# Altium PCB ESP8266-07.PcbDoc (part 1 of 2) (continued)
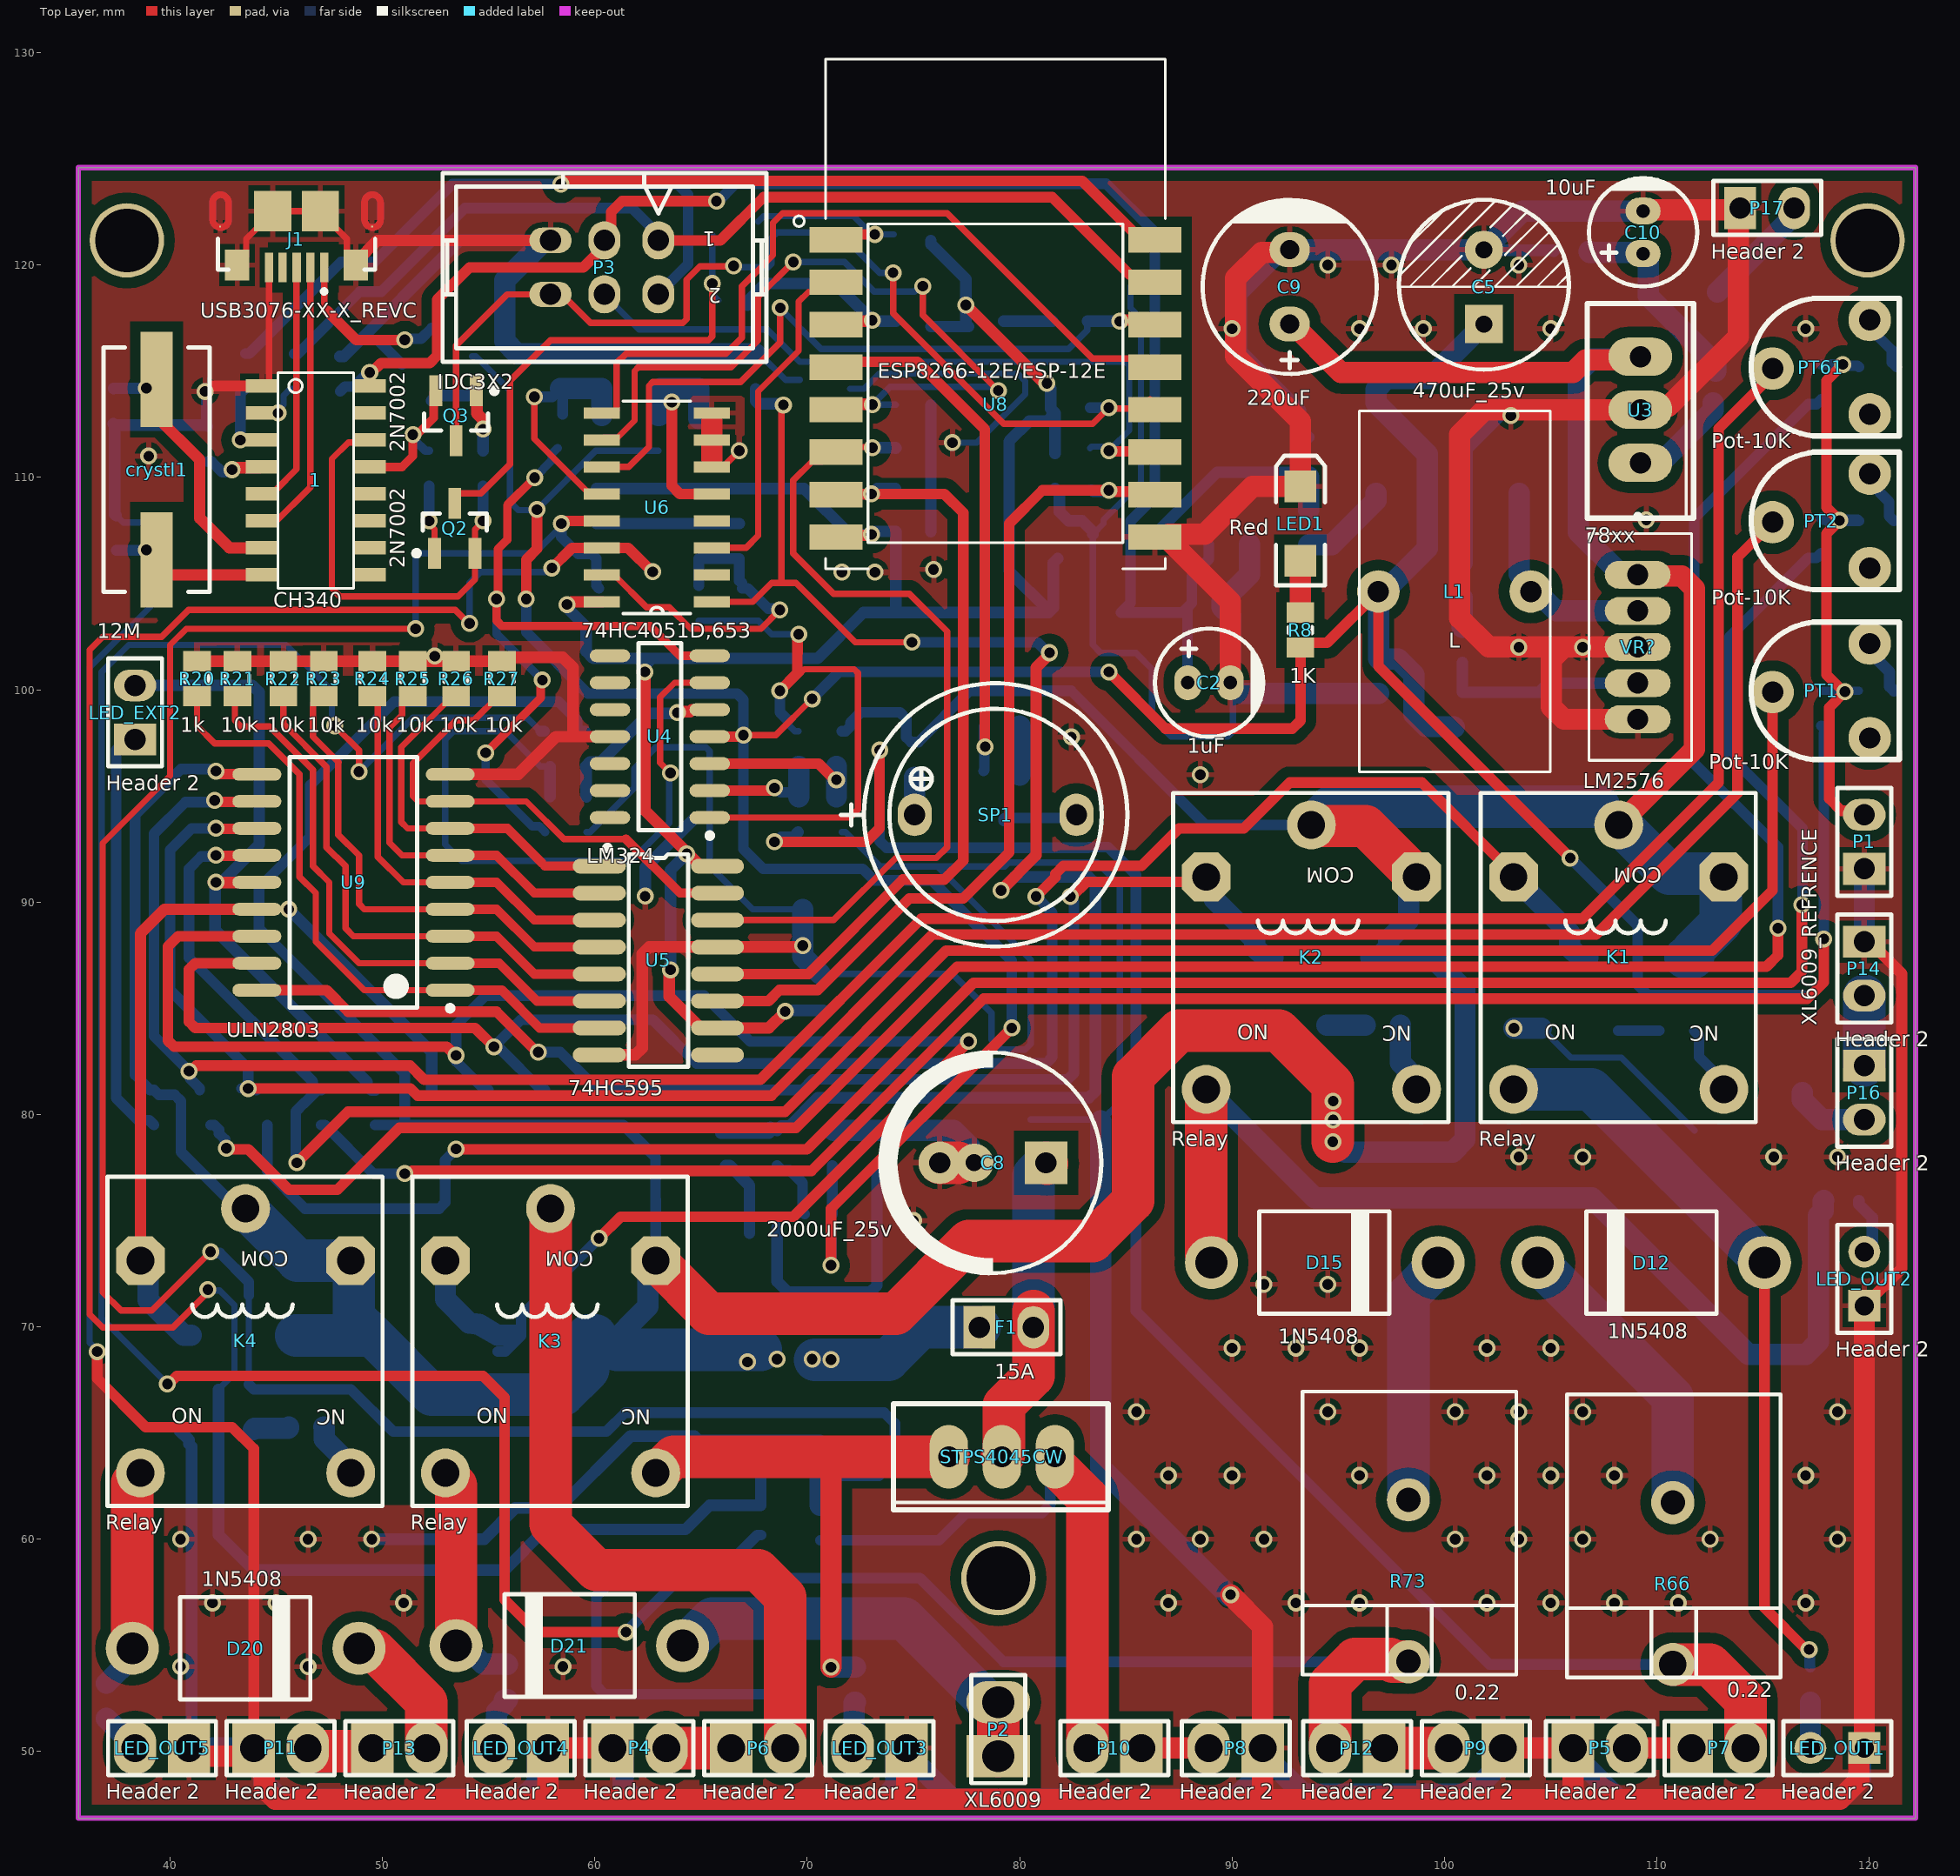
[diagram p0: Top Layer view]
## Components (designator, comment, footprint, x,y, rotation, side; value= is the part's Value field where it differs from the comment) (continued)
R85 "" "RES 0805 (2012X06L)" 119.507,75.946 r180 bottom value=1K
R86 "" "RES 0805 (2012X06L)" 72.263,52.325 r90 bottom value=1K
R87 "" "RES 0805 (2012X06L)" 55.88,52.452 r90 bottom value=1K
R88 "" "RES 0805 (2012X06L)" 36.83,51.562 r90 bottom value=1K
R89 "" "RES 0805 (2012X06L)" 110.11,83.947 r0 bottom value=1K
R90 "" "RES 0805 (2012X06L)" 96.267,84.201 r0 bottom value=1K
R91 "" "RES 0805 (2012X06L)" 45.593,65.278 r0 bottom value=1K
SP1 "" "BUZZER 7.62mm DC" 78.867,94.107 r0 top
STPS4045CW "" TO-220 79.136,63.881 r180 top
U1 "LM1117IMP-x.x" MP04A_N 88.9,109.749 r90 bottom
U3 "78xx" To-220 109.22,113.157 r270 top
U4 "LM324" SO-14 63.061,97.79 r180 top value="40 mA"
U5 "74HC595" SO16_N 62.992,87.249 r0 top value="max 6 V min 2 V ,8bit"
U6 "74HC4051D,653" SOIC127P600X175-16N 62.919,108.585 r180 top
U7 "ACS712" ACS712 69.23,71.476 r90 bottom
U8 "ESP8266-12E/ESP-12E" XCVR_ESP8266-12E/ESP-12E 78.86,114.189 r0 top
U9 "ULN2803" SOW-18 48.641,90.932 r180 top value=50v,500mA
VR? "LM2576" TO-220-5 109.093,102.01 r270 top value="output_7-60V Input_3A"

## Footprints (in the part's own frame and the unit in brackets; to place one, negate y for a bottom-side part, rotate by r counter-clockwise, add the part's x,y. Pads: shape width x height; smd on the part's side, far side on the other; paste and mask are expansions set on the pad)
ACS712 [mm]
  rect 2.5x0.7 smd: 1(-3.2,1.95) 2(-3.2,0.65) 3(-3.2,-0.65) 4(-3.2,-1.95) 5(3.2,-1.95) 6(3.2,-0.65) 7(3.2,0.65) 8(3.2,1.95)
  silkscreen extent -1.57,-2.4 1.53,2.43, body extent -3.07,-2.53 3.13,2.47, height 1.75
"BUZZER 7.62mm DC" [mm]
  oval 1.6x2 hole 1: 1(-3.81,0) 2(3.81,0)
  silkscreen extent -7.3,-6.2 6.2,6.2, body extent -6,-6 6,6, height 9.5
"cap 01" [mm]
  oval 1.27x1.651 hole 0.635: 1(1,0) 2(-1,0)
  silkscreen extent -2.55,-2.55 2.55,2.55, body extent -2.53,-2.53 2.53,2.53, height 12.54
"cap 03" [mil]
  oval 65x75 hole 35: 1(68.9,0) 2(-68.9,0)
  silkscreen extent -161,-161 161,161, body extent -159,-159 157,158, height 473
"Cap electrolitic radial 8x12-3.5" [mm]
  rect 1.8x1.8 hole 0.8: 1(-1.75,0)
  round 1.8 hole 0.8: 2(1.75,0)
  silkscreen extent -3.9,-4 4.1,4, body extent -4,-4 4,4, height 12.3
"Cap electrolitic radial 10x20-5" [mm]
  rect 2x2 hole 1: 1(-2.5,0)
  round 1.8 hole 0.8: 2(0.875,0)
  round 2 hole 1: 2(2.5,0)
  silkscreen extent -5.1,-5.2 5.3,5.2, body extent -5,-5 5,5, height 20
"Crystal SMD" [mm]
  rect 4.5x1.5 smd: 1(-4.25,0) 2(4.25,0)
  silkscreen extent -5.75,-2.5 5.75,2.5, body extent -6.21,-2.25 6.09,2.25, height 5.18
"Diode 1N4007 SMD" [mm]
  rect 2.7x2 smd: 1(-0.32,0) 2(4.28,0)
  silkscreen extent 1.27,-0.81 2.67,0.83, body extent -0.54,-1.36 4.46,1.34, height 2.16
"Diode 1N5819" [mm]
  round 2.5 hole 1.5: 1(-5.334,0) 2(5.334,0)
  silkscreen extent -3.08,-2.41 3.05,2.41, body extent -5.71,-2.38 5.71,2.37, height 5.38
FB1206 [mm]
  rect 1.5x1.7 smd: 1(-1.71,0) 2(1.7,0)
  silkscreen extent -2.64,-1.03 2.63,1.03, body extent -1.59,-0.8 1.61,0.8, height 1.1
GCT_USB3076-XX-X_REVC [mm]
  rect 0.4x1.4 smd: 1(-1.3,2.65) 2(-0.65,2.65) 3(0,2.65) 4(0.66,2.65) 5(1.3,2.65)
  rect 0.1x0.1 smd paste-1 mask+0: 6(-3.549,0.73) 7(3.601,0.73)
  rect 1.15x1.45 smd: 8(-2.794,2.54) 9(2.794,2.54)
  rect 1.75x1.9 smd: 10(-1.125,0) 11(1.125,0)
  Top Layer region: 4.1,-0.4 4.099,-0.427 4.097,-0.455 4.094,-0.482 4.089,-0.509 4.082,-0.536 4.074,-0.562 4.065,-0.588 4.055,-0.614 4.043,-0.638 4.03,-0.663 4.015,-0.686 4,-0.709 3.983,-0.73 3.965,-0.751 3.946,-0.771 3.926,-0.79 3.905,-0.808 3.884,-0.825 3.861,-0.84 3.838,-0.855 3.813,-0.868 3.789,-0.88 3.763,-0.89 3.737,-0.899 3.711,-0.907 3.684,-0.914 3.657,-0.919 3.63,-0.922 3.602,-0.924 3.575,-0.925 3.542,-0.923 3.514,-0.919 3.486,-0.914 3.458,-0.907 3.43,-0.899 3.403,-0.889 3.376,-0.878 3.35,-0.866 3.325,-0.852 3.3,-0.837 3.276,-0.82 3.254,-0.803 3.232,-0.784 3.211,-0.764 3.191,-0.743 3.172,-0.721 3.155,-0.699 3.138,-0.675 3.123,-0.65 3.109,-0.625 3.097,-0.599 3.086,-0.572 3.076,-0.545 3.068,-0.517 3.061,-0.489 3.056,-0.461 3.052,-0.433 3.05,-0.404 3.049,-0.375 3.05,-0.35 3.05,0 3.35,0 3.35,-0.4 3.35,-0.412 3.351,-0.424 3.353,-0.435 3.355,-0.447 3.358,-0.458 3.361,-0.47 3.365,-0.481 3.369,-0.492 3.375,-0.502 3.38,-0.513 3.386,-0.523 3.393,-0.532 3.4,-0.542 3.408,-0.551 3.416,-0.559 3.424,-0.567 3.433,-0.575 3.443,-0.582 3.452,-0.589 3.463,-0.595 3.473,-0.6 3.483,-0.606 3.494,-0.61 3.505,-0.614 3.517,-0.617 3.528,-0.62 3.54,-0.622 3.551,-0.624 3.563,-0.625 3.575,-0.625 3.587,-0.625 3.599,-0.624 3.61,-0.622 3.622,-0.62 3.633,-0.617 3.645,-0.614 3.656,-0.61 3.667,-0.606 3.677,-0.6 3.688,-0.595 3.698,-0.589 3.707,-0.582 3.717,-0.575 3.726,-0.567 3.734,-0.559 3.742,-0.551 3.75,-0.542 3.757,-0.532 3.764,-0.523 3.77,-0.513 3.775,-0.502 3.781,-0.492 3.785,-0.481 3.789,-0.47 3.792,-0.458 3.795,-0.447 3.797,-0.435 3.799,-0.424 3.8,-0.412 3.8,-0.4 3.8,0 4.1,0
  Top Layer region: 3.608,0.923 3.636,0.919 3.664,0.914 3.692,0.907 3.72,0.899 3.747,0.889 3.774,0.878 3.8,0.866 3.825,0.852 3.85,0.837 3.874,0.82 3.896,0.803 3.918,0.784 3.939,0.764 3.959,0.743 3.978,0.721 3.995,0.699 4.012,0.675 4.027,0.65 4.041,0.625 4.053,0.599 4.064,0.572 4.074,0.545 4.082,0.517 4.089,0.489 4.094,0.461 4.098,0.433 4.1,0.404 4.101,0.375 4.1,0.35 4.1,0 3.8,0 3.8,0.4 3.8,0.412 3.799,0.424 3.797,0.435 3.795,0.447 3.792,0.458 3.789,0.47 3.785,0.481 3.781,0.492 3.775,0.502 3.77,0.513 3.764,0.523 3.757,0.532 3.75,0.542 3.742,0.551 3.734,0.559 3.726,0.567 3.717,0.575 3.707,0.582 3.698,0.589 3.688,0.595 3.677,0.6 3.667,0.606 3.656,0.61 3.645,0.614 3.633,0.617 3.622,0.62 3.61,0.622 3.599,0.624 3.587,0.625 3.575,0.625 3.563,0.625 3.551,0.624 3.54,0.622 3.528,0.62 3.517,0.617 3.505,0.614 3.494,0.61 3.483,0.606 3.473,0.6 3.463,0.595 3.452,0.589 3.443,0.582 3.433,0.575 3.424,0.567 3.416,0.559 3.408,0.551 3.4,0.542 3.393,0.532 3.386,0.523 3.38,0.513 3.375,0.502 3.369,0.492 3.365,0.481 3.361,0.47 3.358,0.458 3.355,0.447 3.353,0.435 3.351,0.424 3.35,0.412 3.35,0.4 3.35,0 3.05,0 3.05,0.4 3.051,0.427 3.053,0.455 3.056,0.482 3.061,0.509 3.068,0.536 3.076,0.562 3.085,0.588 3.095,0.614 3.107,0.638 3.12,0.663 3.135,0.686 3.15,0.709 3.167,0.73 3.185,0.751 3.204,0.771 3.224,0.79 3.245,0.808 3.266,0.825 3.289,0.84 3.313,0.855 3.337,0.868 3.361,0.88 3.387,0.89 3.413,0.899 3.439,0.907 3.466,0.914 3.493,0.919 3.52,0.922 3.548,0.924 3.575,0.925
  Top Layer region: -3.05,-0.4 -3.051,-0.427 -3.053,-0.455 -3.056,-0.482 -3.061,-0.509 -3.068,-0.536 -3.076,-0.562 -3.085,-0.588 -3.095,-0.614 -3.107,-0.638 -3.12,-0.663 -3.135,-0.686 -3.15,-0.709 -3.167,-0.73 -3.185,-0.751 -3.204,-0.771 -3.224,-0.79 -3.245,-0.808 -3.266,-0.825 -3.289,-0.84 -3.312,-0.855 -3.337,-0.868 -3.361,-0.88 -3.387,-0.89 -3.413,-0.899 -3.439,-0.907 -3.466,-0.914 -3.493,-0.919 -3.52,-0.922 -3.548,-0.924 -3.575,-0.925 -3.608,-0.923 -3.636,-0.919 -3.664,-0.914 -3.692,-0.907 -3.72,-0.899 -3.747,-0.889 -3.774,-0.878 -3.8,-0.866 -3.825,-0.852 -3.85,-0.837 -3.874,-0.82 -3.896,-0.803 -3.918,-0.784 -3.939,-0.764 -3.959,-0.743 -3.978,-0.721 -3.995,-0.699 -4.012,-0.675 -4.027,-0.65 -4.041,-0.625 -4.053,-0.599 -4.064,-0.572 -4.074,-0.545 -4.082,-0.517 -4.089,-0.489 -4.094,-0.461 -4.098,-0.433 -4.1,-0.404 -4.101,-0.375 -4.1,-0.35 -4.1,0 -3.8,0 -3.8,-0.4 -3.8,-0.412 -3.799,-0.424 -3.797,-0.435 -3.795,-0.447 -3.792,-0.458 -3.789,-0.47 -3.785,-0.481 -3.781,-0.492 -3.775,-0.502 -3.77,-0.513 -3.764,-0.523 -3.757,-0.532 -3.75,-0.542 -3.742,-0.551 -3.734,-0.559 -3.726,-0.567 -3.717,-0.575 -3.707,-0.582 -3.698,-0.589 -3.688,-0.595 -3.677,-0.6 -3.667,-0.606 -3.656,-0.61 -3.645,-0.614 -3.633,-0.617 -3.622,-0.62 -3.61,-0.622 -3.599,-0.624 -3.587,-0.625 -3.575,-0.625 -3.563,-0.625 -3.551,-0.624 -3.54,-0.622 -3.528,-0.62 -3.517,-0.617 -3.505,-0.614 -3.494,-0.61 -3.483,-0.606 -3.473,-0.6 -3.462,-0.595 -3.452,-0.589 -3.443,-0.582 -3.433,-0.575 -3.424,-0.567 -3.416,-0.559 -3.408,-0.551 -3.4,-0.542 -3.393,-0.532 -3.386,-0.523 -3.38,-0.513 -3.375,-0.502 -3.369,-0.492 -3.365,-0.481 -3.361,-0.47 -3.358,-0.458 -3.355,-0.447 -3.353,-0.435 -3.351,-0.424 -3.35,-0.412 -3.35,-0.4 -3.35,0 -3.05,0
  Top Layer region: -3.542,0.923 -3.514,0.919 -3.486,0.914 -3.457,0.907 -3.43,0.899 -3.403,0.889 -3.376,0.878 -3.35,0.866 -3.325,0.852 -3.3,0.837 -3.276,0.82 -3.254,0.803 -3.232,0.784 -3.211,0.764 -3.191,0.743 -3.172,0.721 -3.155,0.699 -3.138,0.675 -3.123,0.65 -3.109,0.625 -3.097,0.599 -3.086,0.572 -3.076,0.545 -3.068,0.517 -3.061,0.489 -3.056,0.461 -3.052,0.433 -3.05,0.404 -3.049,0.375 -3.05,0.35 -3.05,0 -3.35,0 -3.35,0.4 -3.35,0.412 -3.351,0.424 -3.353,0.435 -3.355,0.447 -3.358,0.458 -3.361,0.47 -3.365,0.481 -3.369,0.492 -3.375,0.502 -3.38,0.513 -3.386,0.523 -3.393,0.532 -3.4,0.542 -3.408,0.551 -3.416,0.559 -3.424,0.567 -3.433,0.575 -3.443,0.582 -3.452,0.589 -3.462,0.595 -3.473,0.6 -3.483,0.606 -3.494,0.61 -3.505,0.614 -3.517,0.617 -3.528,0.62 -3.54,0.622 -3.551,0.624 -3.563,0.625 -3.575,0.625 -3.587,0.625 -3.599,0.624 -3.61,0.622 -3.622,0.62 -3.633,0.617 -3.645,0.614 -3.656,0.61 -3.667,0.606 -3.677,0.6 -3.688,0.595 -3.698,0.589 -3.707,0.582 -3.717,0.575 -3.726,0.567 -3.734,0.559 -3.742,0.551 -3.75,0.542 -3.757,0.532 -3.764,0.523 -3.77,0.513 -3.775,0.502 -3.781,0.492 -3.785,0.481 -3.789,0.47 -3.792,0.458 -3.795,0.447 -3.797,0.435 -3.799,0.424 -3.8,0.412 -3.8,0.4 -3.8,0 -4.1,0 -4.1,0.4 -4.099,0.427 -4.097,0.455 -4.094,0.482 -4.089,0.509 -4.082,0.536 -4.074,0.562 -4.065,0.588 -4.055,0.614 -4.043,0.638 -4.03,0.663 -4.015,0.686 -4,0.709 -3.983,0.73 -3.965,0.751 -3.946,0.771 -3.926,0.79 -3.905,0.808 -3.884,0.825 -3.861,0.84 -3.837,0.855 -3.813,0.868 -3.789,0.88 -3.763,0.89 -3.737,0.899 -3.711,0.907 -3.684,0.914 -3.657,0.919 -3.63,0.922 -3.602,0.924 -3.575,0.925
  Bottom Layer region: 4.1,-0.4 4.099,-0.427 4.097,-0.455 4.094,-0.482 4.089,-0.509 4.082,-0.536 4.074,-0.562 4.065,-0.588 4.055,-0.614 4.043,-0.638 4.03,-0.663 4.015,-0.686 4,-0.709 3.983,-0.73 3.965,-0.751 3.946,-0.771 3.926,-0.79 3.905,-0.808 3.884,-0.825 3.861,-0.84 3.838,-0.855 3.813,-0.868 3.789,-0.88 3.763,-0.89 3.737,-0.899 3.711,-0.907 3.684,-0.914 3.657,-0.919 3.63,-0.922 3.602,-0.924 3.575,-0.925 3.542,-0.923 3.514,-0.919 3.486,-0.914 3.458,-0.907 3.43,-0.899 3.403,-0.889 3.376,-0.878 3.35,-0.866 3.325,-0.852 3.3,-0.837 3.276,-0.82 3.254,-0.803 3.232,-0.784 3.211,-0.764 3.191,-0.743 3.172,-0.721 3.155,-0.699 3.138,-0.675 3.123,-0.65 3.109,-0.625 3.097,-0.599 3.086,-0.572 3.076,-0.545 3.068,-0.517 3.061,-0.489 3.056,-0.461 3.052,-0.433 3.05,-0.404 3.049,-0.375 3.05,-0.35 3.05,0 3.35,0 3.35,-0.4 3.35,-0.412 3.351,-0.424 3.353,-0.435 3.355,-0.447 3.358,-0.458 3.361,-0.47 3.365,-0.481 3.369,-0.492 3.375,-0.502 3.38,-0.513 3.386,-0.523 3.393,-0.532 3.4,-0.542 3.408,-0.551 3.416,-0.559 3.424,-0.567 3.433,-0.575 3.443,-0.582 3.452,-0.589 3.463,-0.595 3.473,-0.6 3.483,-0.606 3.494,-0.61 3.505,-0.614 3.517,-0.617 3.528,-0.62 3.54,-0.622 3.551,-0.624 3.563,-0.625 3.575,-0.625 3.587,-0.625 3.599,-0.624 3.61,-0.622 3.622,-0.62 3.633,-0.617 3.645,-0.614 3.656,-0.61 3.667,-0.606 3.677,-0.6 3.688,-0.595 3.698,-0.589 3.707,-0.582 3.717,-0.575 3.726,-0.567 3.734,-0.559 3.742,-0.551 3.75,-0.542 3.757,-0.532 3.764,-0.523 3.77,-0.513 3.775,-0.502 3.781,-0.492 3.785,-0.481 3.789,-0.47 3.792,-0.458 3.795,-0.447 3.797,-0.435 3.799,-0.424 3.8,-0.412 3.8,-0.4 3.8,0 4.1,0
  Bottom Layer region: 3.608,0.923 3.636,0.919 3.664,0.914 3.692,0.907 3.72,0.899 3.747,0.889 3.774,0.878 3.8,0.866 3.825,0.852 3.85,0.837 3.874,0.82 3.896,0.803 3.918,0.784 3.939,0.764 3.959,0.743 3.978,0.721 3.995,0.699 4.012,0.675 4.027,0.65 4.041,0.625 4.053,0.599 4.064,0.572 4.074,0.545 4.082,0.517 4.089,0.489 4.094,0.461 4.098,0.433 4.1,0.404 4.101,0.375 4.1,0.35 4.1,0 3.8,0 3.8,0.4 3.8,0.412 3.799,0.424 3.797,0.435 3.795,0.447 3.792,0.458 3.789,0.47 3.785,0.481 3.781,0.492 3.775,0.502 3.77,0.513 3.764,0.523 3.757,0.532 3.75,0.542 3.742,0.551 3.734,0.559 3.726,0.567 3.717,0.575 3.707,0.582 3.698,0.589 3.688,0.595 3.677,0.6 3.667,0.606 3.656,0.61 3.645,0.614 3.633,0.617 3.622,0.62 3.61,0.622 3.599,0.624 3.587,0.625 3.575,0.625 3.563,0.625 3.551,0.624 3.54,0.622 3.528,0.62 3.517,0.617 3.505,0.614 3.494,0.61 3.483,0.606 3.473,0.6 3.463,0.595 3.452,0.589 3.443,0.582 3.433,0.575 3.424,0.567 3.416,0.559 3.408,0.551 3.4,0.542 3.393,0.532 3.386,0.523 3.38,0.513 3.375,0.502 3.369,0.492 3.365,0.481 3.361,0.47 3.358,0.458 3.355,0.447 3.353,0.435 3.351,0.424 3.35,0.412 3.35,0.4 3.35,0 3.05,0 3.05,0.4 3.051,0.427 3.053,0.455 3.056,0.482 3.061,0.509 3.068,0.536 3.076,0.562 3.085,0.588 3.095,0.614 3.107,0.638 3.12,0.663 3.135,0.686 3.15,0.709 3.167,0.73 3.185,0.751 3.204,0.771 3.224,0.79 3.245,0.808 3.266,0.825 3.289,0.84 3.313,0.855 3.337,0.868 3.361,0.88 3.387,0.89 3.413,0.899 3.439,0.907 3.466,0.914 3.493,0.919 3.52,0.922 3.548,0.924 3.575,0.925
  Bottom Layer region: -3.05,-0.4 -3.051,-0.427 -3.053,-0.455 -3.056,-0.482 -3.061,-0.509 -3.068,-0.536 -3.076,-0.562 -3.085,-0.588 -3.095,-0.614 -3.107,-0.638 -3.12,-0.663 -3.135,-0.686 -3.15,-0.709 -3.167,-0.73 -3.185,-0.751 -3.204,-0.771 -3.224,-0.79 -3.245,-0.808 -3.266,-0.825 -3.289,-0.84 -3.312,-0.855 -3.337,-0.868 -3.361,-0.88 -3.387,-0.89 -3.413,-0.899 -3.439,-0.907 -3.466,-0.914 -3.493,-0.919 -3.52,-0.922 -3.548,-0.924 -3.575,-0.925 -3.608,-0.923 -3.636,-0.919 -3.664,-0.914 -3.692,-0.907 -3.72,-0.899 -3.747,-0.889 -3.774,-0.878 -3.8,-0.866 -3.825,-0.852 -3.85,-0.837 -3.874,-0.82 -3.896,-0.803 -3.918,-0.784 -3.939,-0.764 -3.959,-0.743 -3.978,-0.721 -3.995,-0.699 -4.012,-0.675 -4.027,-0.65 -4.041,-0.625 -4.053,-0.599 -4.064,-0.572 -4.074,-0.545 -4.082,-0.517 -4.089,-0.489 -4.094,-0.461 -4.098,-0.433 -4.1,-0.404 -4.101,-0.375 -4.1,-0.35 -4.1,0 -3.8,0 -3.8,-0.4 -3.8,-0.412 -3.799,-0.424 -3.797,-0.435 -3.795,-0.447 -3.792,-0.458 -3.789,-0.47 -3.785,-0.481 -3.781,-0.492 -3.775,-0.502 -3.77,-0.513 -3.764,-0.523 -3.757,-0.532 -3.75,-0.542 -3.742,-0.551 -3.734,-0.559 -3.726,-0.567 -3.717,-0.575 -3.707,-0.582 -3.698,-0.589 -3.688,-0.595 -3.677,-0.6 -3.667,-0.606 -3.656,-0.61 -3.645,-0.614 -3.633,-0.617 -3.622,-0.62 -3.61,-0.622 -3.599,-0.624 -3.587,-0.625 -3.575,-0.625 -3.563,-0.625 -3.551,-0.624 -3.54,-0.622 -3.528,-0.62 -3.517,-0.617 -3.505,-0.614 -3.494,-0.61 -3.483,-0.606 -3.473,-0.6 -3.462,-0.595 -3.452,-0.589 -3.443,-0.582 -3.433,-0.575 -3.424,-0.567 -3.416,-0.559 -3.408,-0.551 -3.4,-0.542 -3.393,-0.532 -3.386,-0.523 -3.38,-0.513 -3.375,-0.502 -3.369,-0.492 -3.365,-0.481 -3.361,-0.47 -3.358,-0.458 -3.355,-0.447 -3.353,-0.435 -3.351,-0.424 -3.35,-0.412 -3.35,-0.4 -3.35,0 -3.05,0
  Bottom Layer region: -3.542,0.923 -3.514,0.919 -3.486,0.914 -3.457,0.907 -3.43,0.899 -3.403,0.889 -3.376,0.878 -3.35,0.866 -3.325,0.852 -3.3,0.837 -3.276,0.82 -3.254,0.803 -3.232,0.784 -3.211,0.764 -3.191,0.743 -3.172,0.721 -3.155,0.699 -3.138,0.675 -3.123,0.65 -3.109,0.625 -3.097,0.599 -3.086,0.572 -3.076,0.545 -3.068,0.517 -3.061,0.489 -3.056,0.461 -3.052,0.433 -3.05,0.404 -3.049,0.375 -3.05,0.35 -3.05,0 -3.35,0 -3.35,0.4 -3.35,0.412 -3.351,0.424 -3.353,0.435 -3.355,0.447 -3.358,0.458 -3.361,0.47 -3.365,0.481 -3.369,0.492 -3.375,0.502 -3.38,0.513 -3.386,0.523 -3.393,0.532 -3.4,0.542 -3.408,0.551 -3.416,0.559 -3.424,0.567 -3.433,0.575 -3.443,0.582 -3.452,0.589 -3.462,0.595 -3.473,0.6 -3.483,0.606 -3.494,0.61 -3.505,0.614 -3.517,0.617 -3.528,0.62 -3.54,0.622 -3.551,0.624 -3.563,0.625 -3.575,0.625 -3.587,0.625 -3.599,0.624 -3.61,0.622 -3.622,0.62 -3.633,0.617 -3.645,0.614 -3.656,0.61 -3.667,0.606 -3.677,0.6 -3.688,0.595 -3.698,0.589 -3.707,0.582 -3.717,0.575 -3.726,0.567 -3.734,0.559 -3.742,0.551 -3.75,0.542 -3.757,0.532 -3.764,0.523 -3.77,0.513 -3.775,0.502 -3.781,0.492 -3.785,0.481 -3.789,0.47 -3.792,0.458 -3.795,0.447 -3.797,0.435 -3.799,0.424 -3.8,0.412 -3.8,0.4 -3.8,0 -4.1,0 -4.1,0.4 -4.099,0.427 -4.097,0.455 -4.094,0.482 -4.089,0.509 -4.082,0.536 -4.074,0.562 -4.065,0.588 -4.055,0.614 -4.043,0.638 -4.03,0.663 -4.015,0.686 -4,0.709 -3.983,0.73 -3.965,0.751 -3.946,0.771 -3.926,0.79 -3.905,0.808 -3.884,0.825 -3.861,0.84 -3.837,0.855 -3.813,0.868 -3.789,0.88 -3.763,0.89 -3.737,0.899 -3.711,0.907 -3.684,0.914 -3.657,0.919 -3.63,0.922 -3.602,0.924 -3.575,0.925
  silkscreen extent -3.7,1.29 3.7,3.89, body extent -3.7,-2.63 3.7,2.92, height 2.66
HDR1X2#1 [mm] "Connector; Header; 2 Position"
  rect 1.5x2 hole 1: 1(0,0)
  oval 1.5x2 hole 1: 2(2.54,0)
  silkscreen extent -1.27,-1.27 3.81,1.27
HDR1X2#2 [mm] "Connector; Header; 2 Position"
  rect 1.5x1.5 hole 0.9: 1(0,0)
  round 1.5 hole 0.9: 2(2.54,0)
  silkscreen extent -1.27,-1.27 3.81,1.27
HDR1X2#3 [mm] "Connector; Header; 2 Position"
  rect 2x2.5 hole 1.3: 1(0,0)
  oval 2x2.5 hole 1.3: 2(2.54,0)
  silkscreen extent -1.27,-1.27 3.81,1.27
HDR1X2#4 [mm] "Connector; Header; 2 Position"
  rect 2x3 hole 1.5: 1(0,0)
  oval 2x3 hole 1.5: 2(2.54,0)
  silkscreen extent -1.27,-1.27 3.81,1.27
IDC_2X3 [mm]
  oval 1.5x1.8 hole 1 mask+0.1: 1(-2.54,-1.27) 2(-2.54,1.27) 3(0,-1.27) 4(0,1.27)
  oval 2x1.2 hole 1 mask+0.1: 5(2.54,-1.27) 6(2.54,1.27)
  silkscreen extent -7.62,-4.45 7.62,4.44, body extent -7.61,-4.25 7.61,4.6, height 9.17
"LED SMD 1206" [mm]
  rect 1.5x1.5 smd: 1(-1.75,0) 2(1.75,0)
  silkscreen extent -2.9,-1.15 3.2,1.15, body extent -1.65,-0.76 1.65,0.69, height 1.36
LL4148 [mm] "MELF Diode, 2-Leads, Body 3.5x1.4mm, IPC Medium Density"
  rect 1.2x1.75 smd: 1(-1.65,0) 2(1.65,0)
  silkscreen extent -0.61,-0.87 0.57,0.88, body extent -1.78,-0.75 1.72,0.75, height 1.55
MP04A_N [mm] "SOT223, 4-Leads, Body 6.5x3.5mm, Pitch 2.3mm, Lead Span 7mm, IPC Medium Density"
  rect 2.4x1 smd: 1(-2.9,2.3) 2(-2.9,0) 3(-2.9,-2.3)
  rect 2.4x3.3 smd: 4(2.9,0)
  silkscreen extent -3.02,-3.35 1.4,3.47, body extent -3.49,-3.24 3.49,3.24, height 1.64
"Relay 15.40x12.10x13.10" [mm]
  round 2.3 hole 1.3: 1(0,0) 2(-4.95,12.45) 3(4.95,12.45)
  oct 2.3x2.3 hole 1.3: 4(-4.95,2.45) 5(4.95,2.45)
  silkscreen extent -6.45,-1.5 6.5,14, body extent -6.05,-1.3 6.05,14, height 16.1
"RES 0805 (2012X06L)" [mm] "Chip Resistor, 2-Leads, Body 2.0x1.3mm, IPC High Density _ (0.100 W)"
  rect 0.95x1.3 smd: 1(0,0) 2(1.65,0)
  silkscreen extent 0.67,-0.55 0.98,0.55, body extent -0.19,-0.63 1.84,0.64, height 0.6
Res-(5/1)-Stand#1 [mil]
  round 80 hole 45: 1(0,0)
  round 80 hole 51.18: 2(300,0)
  silkscreen extent -201,-196 324,200, body extent -195,-194 319,200, height 907
Res-(5/1)-Stand#2 [mil]
  round 80 hole 45: 1(0,0) 2(300,0)
  silkscreen extent -201,-196 324,200, body extent -195,-194 319,200, height 907
SMD_CAP_0805 [mm]
  rect 0.95x1.3 smd: 1(0,0) 2(1.65,0)
  silkscreen extent 0.67,-0.55 0.98,0.55, body extent -0.19,-0.64 1.84,0.64, height 0.65
SO16_N [mm] "16-Pin Small Outline Integrated Circuit 1.27 mm Pitch, IPC Medium Density - DESIGNER ABBAS BASEREH"
  oval 2.5x0.7 smd: 1(-2.781,4.445) 2(-2.781,3.175) 3(-2.781,1.905) 4(-2.781,0.635) 5(-2.781,-0.635) 6(-2.781,-1.905) 7(-2.781,-3.175) 8(-2.781,-4.445) 9(2.781,-4.445) 10(2.781,-3.175) 11(2.781,-1.905) 12(2.781,-0.635) 13(2.781,0.635) 14(2.781,1.905) 15(2.781,3.175) 16(2.781,4.445)
  silkscreen extent -2.52,-5 1.4,5.42, body extent -3,-4.97 3,4.96, height 1.62
SO-14 [mm] "SOIC, 14-Leads, Body 8.6x3.9mm, Pitch 1.27mm, IPC High Density"
  oval 1.9x0.6 smd: 1(-2.35,3.81) 2(-2.35,2.54) 3(-2.35,1.27) 4(-2.35,0) 5(-2.35,-1.27) 6(-2.35,-2.54) 7(-2.35,-3.81) 8(2.35,-3.81) 9(2.35,-2.54) 10(2.35,-1.27) 11(2.35,0) 12(2.35,1.27) 13(2.35,2.54) 14(2.35,3.81)
  silkscreen extent -2.48,-4.4 1,4.78, body extent -3.02,-4.32 3.02,4.32, height 1.62
SOIC16 [mil]
  rect 60x25 smd: 1(-100,150) 2(-100,100) 3(-100,50) 4(-100,0) 5(-100,-50) 6(-100,-100) 7(-100,-150) 8(-100,-200) 9(100,-200) 10(100,-150) 11(100,-100) 12(100,-50) 13(100,0) 14(100,50) 15(100,100) 16(100,150)
  silkscreen extent -70,-225 70,175, body extent -123,-221 123,171, height 62
SOIC127P600X175-16N [mil]
  rect 67x21 smd: 1(-102,175) 2(-102,125) 3(-102,75) 4(-102,25) 5(-102,-25) 6(-102,-75) 7(-102,-125) 8(-102,-175) 9(102,-175) 10(102,-125) 11(102,-75) 12(102,-25) 13(102,25) 14(102,75) 15(102,125) 16(102,175)
  silkscreen extent -62,-197 62,197, body extent -118,-195 118,195, height 69
SOT23_BEC_M [mm] "SOT23, 3-Leads, Body 2.9x1.3mm, Pitch 0.95mm, Lead Span 2.4mm, IPC Low Density"
  rect 1.45x0.6 smd: 1(-1.175,0.95) 2(-1.175,-0.95) 3(1.175,0)
  silkscreen extent -1.3,-1.5 0.7,1.92, body extent -1.23,-1.45 1.07,1.45, height 1
SOW-18 [mm]
  oval 2.3x0.6 smd: 1(-4.55,5.08) 2(-4.55,3.81) 3(-4.55,2.54) 4(-4.55,1.27) 5(-4.55,0) 6(-4.55,-1.27) 7(-4.55,-2.54) 8(-4.55,-3.81) 9(-4.55,-5.08) 10(4.55,-5.08) 11(4.55,-3.81) 12(4.55,-2.54) 13(4.55,-1.27) 14(4.55,0) 15(4.55,1.27) 16(4.55,2.54) 17(4.55,3.81) 18(4.55,5.08)
  silkscreen extent -4.67,-5.9 3,6.05, body extent -5.15,-5.79 5.15,5.78, height 2.65
Square [mm]
  round 2 hole 1 mask+0.102: 1(2.223,2.286) 2(0.064,-2.286) 3(-2.222,2.286)
  silkscreen extent -3.24,-3.29 3.24,3.68, body extent -3.16,-3.34 3.34,3.71, height 2.9
TO-220 [mm]
  oval 1.8x3 hole 1: 1(-2.525,0) 2(-0.025,0) 3(2.475,0)
  silkscreen extent -5.03,-2.5 5.07,2.5, body extent -5.06,-1.47 5.1,3.1, height 19.54
To-220 [mm]
  oval 1.8x3 hole 1: 1(-2.525,0) 2(-0.025,0) 3(2.475,0)
  silkscreen extent -5.03,-2.5 5.07,2.5, body extent -5.06,-1.47 5.1,3.1, height 19.54
TO-220-5 [mm]
  oval 1.3x3.1 hole 1: 1(-3.4,0) 2(-1.7,0) 3(0,0) 4(1.7,0) 5(3.4,0)
  silkscreen extent -6.27,-2.29 5.34,2.54, body extent -4.95,-1.27 5.21,3.17, height 22.29
"Toroidal Inductor Coil" [mm]
  round 2 hole 1: 1(0.025,3.475) 2(0.025,-3.7)
  silkscreen extent -8.47,-4.6 8.52,4.4, body extent -8.64,-4.47 8.74,4.07, height 23.82
XCVR_ESP8266-12E/ESP-12E [mm]
  rect 2.5x1.2 smd: 1(-7.5,7) 2(-7.5,5) 3(-7.5,3) 4(-7.5,1) 5(-7.5,-1) 6(-7.5,-3) 7(-7.5,-5) 8(-7.5,-7) 15(7.5,-7) 16(7.5,-5) 17(7.5,-3) 18(7.5,-1) 19(7.5,1) 20(7.5,3) 21(7.5,5) 22(7.5,7)
  rect 1.1x2 on Top Overlay: 9(-5,-8.5) 10(-3,-8.5) 11(-1,-8.5) 12(1,-8.5) 13(3,-8.5) 14(5,-8.5)
  silkscreen extent -9.5,-8.5 8,15.5, body extent -8.13,-8.57 7.87,15.43, height 3.17

## Part data
1: "Circuit Breaker Magnetic 3Pole 40A 240VAC", Package=None, Availability=Unavailable, MF=Eaton, MP=CH340, Price=None, SnapEDA_Link=https://www.snapeda.com/parts/CH340/Eaton/view-part/4701946/?ref=snap
C2 C9 C10: library part Cap-Polar, "Polar Capacitor", Voltage=16V, Adding Date=1387/12/20, Designer="Saeid Jorablo", Organazation=ControTec
C3 C4 C6 C11 C12 C13 C14 C15 C16 C17 C18 C19 C20 C21 C22 C24 C25 C26 C27 C28 C29: library part Cap-Bipolar, "Bipolar Capacitor", Voltage=100V, Adding Date=1387/12/20, Designer="Saeid Jorablo", Organazation=ControTec
C5 C8: library part "Cap electrolitic radial 10x21", "Cap electrolitic radial", Data=16-12-2016, Designer="Abbas Basereh", Part. No=100U/50V
crystl1: library part CRYSTAL, "Crystal"
D1 D4 D13 D14 D16 D17 D18 D19: library part "Diode 1N", "High Conductance Fast Diode", Code_JEDEC=DO-204-AH, ComponentLink1Description="Manufacturer Link", ComponentLink1URL=http://www.fairchildsemi.com/, ComponentLink2Description=Datasheet, ComponentLink2URL=http://www.fairchildsemi.com/ds/1N%2F1N4148.pdf, DatasheetDocument=1997, LatestRevisionDate=17-Jul-2002, LatestRevisionNote="Re-released for DXP Platform.", PackageReference=DO-35, Published=8-Jun-2000, Publisher="Altium Limited"
D5 D6 D7 D8 D9 D10: library part "Diode 1N4148", "High Conductance Fast Diode", Code_JEDEC=DO-204-AH, ComponentLink1Description="Manufacturer Link", ComponentLink1URL=http://www.fairchildsemi.com/, ComponentLink2Description=Datasheet, ComponentLink2URL=http://www.fairchildsemi.com/ds/1N%2F1N4148.pdf, DatasheetVersion=1997, LatestRevisionDate=17-Jul-2002, LatestRevisionNote="Re-released for DXP Platform.", PackageDescription="Diode, Axial; Body 3.8 x 1.9 mm (LxDia. max), Lead Dia. 0.53 mm (max)", PackageReference=DO-35, Published=8-Jun-2000, Publisher="Altium Limited"
D12 D15 D20 D21: library part "Diode 1N5408", "3 Amp Medium Power Silicon Rectifier Diode", ComponentLink1Description="Manufacturer Link", ComponentLink1URL=http://www.irf.com/, DatasheetVersion=Aug-1984, LatestRevisionDate=17-Jul-2002, LatestRevisionNote="Re-released for DXP Platform.", PackageDescription="Diode, Axial; Body 9.5 x 5.3 mm (LxDia. max), Lead Dia. 1.32 mm (max)", PackageReference=DO-201AD, Published=8-Jun-2000, Publisher="Altium Limited"
F1 P1 P2: library part "Header 2", "Header, 2-Pin", LatestRevisionDate=17-Jul-2002, LatestRevisionNote="Re-released for DXP Platform.", Publisher="Altium Limited"
F2 F3: library part Inductor, "Inductor", Code_IEC=1005, Code_JEITA=0402, LatestRevisionDate=29-May-2009, LatestRevisionNote="IPC-7351 Footprint Added.", PackageDescription="Chip Inductor", PackageReference=0402-A, Published=8-Jun-2000, Publisher="Altium Limited"
J1: "USB - micro B USB 2.0 Receptacle Connector 5 Position Surface Mount, Right Angle; Through Hole", Package=None, Availability=Unavailable, MF="Global Connector Technology", MP=USB3076-30-A, Price=None, SnapEDA_Link=https://www.snapeda.com/parts/USB3076-30-A/Global%20Connector%20Technology/view-part/276912/?ref=snap
K1 K2 K3 K4: library part "RELAY General", "Relay_SPDT POWER NEEDLE", Company=E.P.I.L, Design_Date=2011/10/31, Designer="Ali Hafizi"
L1: library part "Inductor-100uH-3A-Toroidal  Coil", manufacture=CHINA, manufacture p-n=5026-100UH-3A-0.6MM, Footprint Patch=R_C_D_T.PcbLib, LIBRARY PATCH=R_C_D_T.SchLib, part="Inductor-100uH-3A-Toroidal  Coil", Rahkaran=1010900947, supplier1=javan, supplier1 p-n=TOROID-100UH-3A
LED1: library part LED, "LED", Adding Date=1387/12/22, Color=Red, Designer="Saeid Jorablo", Organazation=ControTec, Size="SMD 1206"
LED4 LED5 LED6: library part LED, "LED", Color=Red, Adding Date=1387/12/22, Designer="Saeid Jorablo", Organazation=ControTec, Size="SMD 1206"
LED_EXT2 LED_OUT1 LED_OUT2 LED_OUT3 LED_OUT4 LED_OUT5 P4 P5 P6 P7 P8 P9 P10 P11 P12 P13 P14 P16 P17: "Header, 2-Pin", LatestRevisionDate=17-Jul-2002, LatestRevisionNote="Re-released for DXP Platform.", Publisher="Altium Limited"
P3: library part "IDC 3X2", "IDC, 6-Pin, Dual row", LatestRevisionDate=17-Jul-2002, LatestRevisionNote="Re-released for DXP Platform.", Publisher="Altium Limited"
PT1 PT2 PT61: library part resistor-Pot-10K, manufacture="Changzhou Kennon ELectronics", manufacture p-n=WH06-2C-10K, Footprint Patch=R_C_D_T.PcbLib, LIBRARY PATCH=R_C_D_T.SchLib, part=resistor-Pot-10K, Rahkaran=‎1012000156, supplier1=javan, supplier1 p-n="POT 10K"
Q4: library part 2N7002
R2 R4 R5 R7 R8 R9 R10 R11 R12 R13 R14 R15 R16 R17 R18 R19 R20 R21 R22 R23 R24 R25 R26 R27 R28 R29 R30 R31 R32 R33 R34 R35 R36 R37 R38 R39 R40 R41 R42 R43 R44 R46 R47 R48 R49 R50 R54 R55 R57 R58 R60 R61 R64 R65 R66 R67 R68 R69 R73 R74 R75 R77 R78 R79 R80 R81 R82 R83 R84 R85 R86 R87 R88 R89 R90 R91: library part Resistor, "Resistor", Power="1/8 W", Tolerance=5%
SP1: library part "PIEZO BUZZER", "PIEZO BUZZER ACTIVE", Comment_1="SPEAKER AND BEEP", ComponentLink2Description=Reference, Design Date=1395/11/14, Designer="Abbas Basereh", Mounting Technology=THD, PackageDescription=THD, Pin Count=2, Publisher="Abbas Basereh", Status=Unreleased
STPS4045CW: library part LF33_DIP, case=TO220, current=500mA, manufacture=STMicroelectronics, manufacture p-n=LF33CV, Voltage=40V, Designer=rashid_behdarvand, Footprint Patch=NKH_IC.PcbLib, LIBRARY PATCH=NKH_IC.SchLib, PackageDescription="D-PAK/TO-252-AA; 3 Leads (1 Cropped); Body 10.1 (inc. leads) x 6.6 mm (LxW max)", part=LF33_DIP, Rahkaran=1012300091, supplier1=javan, supplier1 p-n=LF33CV
U1: "x.x Volt, 800mA Low-Dropout Linear Regulator, 4-pin SOT-223", Manufacturer="National Semiconductor", PackageTopMarking=XYTT*N05B, PartNumber=LM1117IMP-3.3, PowerWise=N, Supplier Part Number 1=7614123, Code_IPC=SOT223-4, Code_JEDEC=TO-261-AA, ComponentLink1Description="LM1117 Datasheet", ComponentLink1URL=http://www.national.com/ds/LM/LM1117.pdf, ComponentLink2Description="LM1117 Web Page", ComponentLink2URL=http://www.national.com/pf/LM/LM1117.html, ComponentLink3Description="MP04A Package Page", ComponentLink3URL=http://www.national.com/packaging/folders/mp04a.html, CompType="LDO IC", DatasheetVersion=Apr-2006, PackageDescription="Molded SOT-223, 6.50 x 3.56 x 1.6mm Body, 4 Lead, 2.3mm Pitch", PackageReference=MP04A, PackageVersion="revB, Apr-2003", PinCount=4, Published=4-Dec-2008, Publisher="Altium Limited", RoHS=N, Supplier 1=Farnell
U3: library part 7805
U4: library part LM324-SMD, "Quad Low-Power Operational Amplifier", case=SO-14, manufacture=STMicroelectronics, manufacture p-n=LM324DT, PackageDocument=1991, ComponentLink1Description="Manufacturer Link", ComponentLink1URL=http://www.onsemi.com/site/products/parametrics/0,4446,251,00.html, ComponentLink2Description=Datasheet, ComponentLink2URL=http://www.onsemi.com/pub/Collateral/LM324-D.PDF, DatasheetDocument=1988, Footprint Patch=NKH_IC.PcbLib, LatestRevisionDate=06-Jun-2005, LatestRevisionNote="Stylized 3D Model Added.", LIBRARY PATCH=NKH_IC.SchLib, PackageReference=751A-02, part=LM324-SMD, Published=17-Jul-2002, Publisher="Altium Limited", Rahkaran=‎1012300094, supplier1=javan, supplier1 p-n="LM324D (ST)"
U5: library part "74HC595 SMD", "8 Bit Shift Register with Output Latches (3 STATE)", case=SO-16, manufacture="Nexperia USA Inc", manufacture p-n=74HC595D, Code_IPC=SOIC127P600-16, ComponentLink1Description="Manufacturer Link", ComponentLink1URL=http://www.st.com/, ComponentLink2Description=Datasheet, ComponentLink2URL=http://www.st.com/stonline/products/literature/ds/1989/m74hc595.pdf, DatasheetVersion=Apr-1993, Footprint Patch=NKH_IC.PcbLib, LatestRevisionDate=13-Apr-2006, LatestRevisionNote="IPC-7351 Footprint Added.", LIBRARY PATCH=NKH_IC.SchLib, PackageDescription="16-Pin Small Outline Integrated Circuit 1.27 mm Pitch", PackageReference=SO16, PackageVersion=May-1998, part="74HC595 SMD", Published=8-Jun-2000, Publisher="Altium Limited", Rahkaran=‎1012300064, supplier1=javan, supplier1 p-n=74HC595D
U6: "1 Circuit IC Switch 8:1 120Ohm 16-SO", Package="SO16-16 Nexperia USA Inc.", Availability=Good, Check_prices=https://www.snapeda.com/parts/74HC4051D,653/Nexperia/view-part/1737238/?ref=eda, MF="Nexperia USA", MP=74HC4051D,653, Price=None, Purchase-URL=https://pricing.snapeda.com/search/part/74HC4051D,653/?ref=eda, SnapEDA_Link=https://www.snapeda.com/parts/74HC4051D,653/Nexperia/view-part/1737238/?ref=snap
U8: "This WiFi module has a 32-bit MCU micro and clock speeds supporting 80 MHz or 160 MHz. Supports the RTOS and integrated Wi-Fi MAC/BB/RF/PA/LNA, and has an on-board antenna.", manufacture="Espressif Systems", manufacture p-n=ESP8266, Package=None, Availability=Unavailable, Footprint Patch=NKH_IC.PcbLib, LIBRARY PATCH=NKH_IC.SchLib, MF=AI-Thinker, MP=ESP8266-12E/ESP-12E, part=ESP8266-12E/ESP-12E, Price=None, Rahkaran=‎1011900593, SnapEDA_Link=https://www.snapeda.com/parts/ESP8266-12E/ESP-12E/AI-Thinker/view-part/106414/?ref=snap, supplier1=javan, supplier1 p-n=ESP8266
U9: library part ULN2803_SMD, "High-Voltage, High-Current Darlington Array", case=SOW-18, manufacture="Toshiba Corporation", manufacture p-n=MC34063ACD, Code_JEDEC=MS-013-AB, ComponentLink1Description="Manufacturer Link", ComponentLink1URL=http://www.allegromicro.com/, DatasheetVersion=1999, Footprint Patch=NKH_IC.PcbLib, LatestRevisionDate=13-Apr-2006, LatestRevisionNote="IPC-7351 Footprint Added.", LIBRARY PATCH=NKH_IC.SchLib, PackageDescription="18-Pin Small Outline Integrated Circuit 1.27 mm Pitch", PackageReference=LW18, part=ULN2803_SMD, Published=13-Oct-2000, Publisher="Altium Limited", Rahkaran=‎1012301758, supplier1=javan, supplier1 p-n=MC34063ACD
VR?: library part LM2576-DIP, "LM2576_adjustable output_7-60V Input_3A", case=TO-220-5, manufacture=TI, Footprint Patch=NKH_IC.PcbLib, LIBRARY PATCH=NKH_IC.SchLib, manufacture p-n=LM2576, part=LM2576-DIP, Rahkaran=1012300093, supplier1=javan, supplier1 p-n=LM2576-ADJ

## Free pads (board coordinates)
  round 3.5 hole 3: 9(37.973,121.158) 9(78.994,58.166) 9(119.914,121.158)

## Via types
v1: diameter 0.8, hole 0.5, Top Layer to Bottom Layer, 187 vias

## Nets (pads, with @x,y where several pads share a name; then routed paths per layer and width w, separated by ;. In a path a pad name is that pad's centre, name@x,y a point inside that pad or via, vN(x,y) a via of type N, cw(c..) or ccw(c..) an arc to the next point about the centre after c; other vN are vias at no path point)
3V3: C13.1 C14.2 C17.1 C25.1 D5.2 D6.2 D7.2 D8.2 D9.2 D10.2 F3.2 R36.1 R37.1 R38.1 R39.1 U5.10 U5.16 U6.16 U8.8 | length 104.5
  Top Layer w0.54: v1(58.689,104.013) 58.759,104.013 58.883,104.137 60.325,104.137 U6.16@60.328,104.14 ; v1(62.357,100.838) 62.357,94.31 64.363,92.304 64.973,91.694 U5.16@65.773,91.694 ; v1@63.5,86.741 63.5,85.547 64.973,84.074 U5.10@65.773,84.074 68.199,84.074 68.961,84.836 v1(68.961,84.851) ; U8.8@71.36,107.189 71.436,107.265 72.975,107.265 v1(73.025,107.315) ; v1(77.47,118.11) 81.103,114.477 81.23,114.477 v1(81.28,114.427)
  Bottom Layer w0.54: v1(58.689,104.013) 58.689,103.943 58.819,103.813 58.819,103.741 59.593,102.967 59.593,101.804 59.923,101.474 D6.2@60.198,101.474 D7.2@62.738,101.474 ; D5.2@60.071,109.475 D10.2@64.897,109.475 D9.2@67.31,109.475 69.849,109.475 72.009,107.315 v1(73.025,107.315) 73.166,107.456 74.155,107.456 74.169,107.442 74.169,103.758 74.295,103.632 ; v1(62.357,100.838) 62.357,101.144 62.687,101.474 D7.2@62.738,101.474 ; v1(63.566,86.809) 63.566,91.508 v1(64.328,92.27) ; v1(68.961,84.851) 69.011,84.901 70.754,84.901 C13.1@70.819,84.836 ; R36.1@75.819,117.094 C17.1@77.597,117.094 ; R37.1@75.819,121.158 75.819,120.983 77.47,119.332 C17.1@77.47,117.094 ; v1(81.28,114.427) 81.28,114.357 81.456,114.181 81.456,113.235 R38.1@81.661,113.03 ; R39.1@81.662,111.125 R38.1@81.661,113.03 ; C14.2@81.789,106.172 81.584,105.967 81.584,103.858 F3.2@81.358,103.632 ; D7.2@62.738,101.474 D8.2@66.929,101.474 70.486,101.474 72.644,103.632 74.295,103.632 ; 74.295,103.632 F3.2@81.358,103.632 ; F3.2@81.358,103.632 81.358,103.732 79.502,105.588 79.502,111.698 80.454,112.65 81.456,112.65 81.456,112.825 R38.1@81.661,113.03
+3V3: 1.16 C2.1 C4.1 C26.1 F3.1 P3.3 U1.2 | length 75
  Top Layer w0.5: 1.16@49.403,114.3 v1(49.403,114.935) 49.484,114.935 49.932,115.382 52.224,115.382 52.578,115.736 52.578,118.364 54.102,119.888 59.459,119.888 60.579,121.008 60.579,121.158 60.77,121.349 60.77,122.492 61.284,123.006 v1(65.727,123.006)
  Bottom Layer w0.5: C26.1@48.006,114.047 48.231,114.272 48.659,114.272 49.322,114.935 v1(49.403,114.935) ; v1@65.739,122.936 66.628,123.825 84.074,123.825 86.36,121.539 86.36,109.093 85.215,107.948 85.215,104.079 F3.1@84.768,103.632 87.659,103.632 C4.1@87.9,103.873 ; C2.1@87.916,100.33 87.9,100.346 87.9,103.632 C4.1@87.9,103.873 ; U1.2@88.9,106.849 88.9,106.149 88.109,105.358 88.109,104.082 C4.1@87.9,103.873
+5: C5.1 C6.1 C12.1 C16.1 D1.1 D19.1 L1.2 R4.1 R8.2 R11.1 R55.1 U4.4 U7.8 | length 175.1
  Top Layer w0.3: v1(66.995,97.858) 68.521,97.858 v1(70.231,99.568)
  Top Layer w0.5: v1(56.769,104.267) 56.769,106.123 57.277,106.631 v1(57.277,108.482) ; U4.4@64.765,97.79 66.929,97.79 66.995,97.856 v1(66.995,97.858) ; v1(71.12,72.898) 71.12,75.565 v1(79.629,84.074) ; v1@84.208,100.831 86.868,98.171 92.837,98.171 93.218,98.552 R8.2@93.218,101.982 93.443,102.207 94.468,102.207 L1.2@96.884,104.623 96.884,101.109 v1(105.918,92.075)
  Bottom Layer w0.3: R11.1@54.222,115.696 54.397,115.696 56.007,114.086 56.007,108.839 56.391,108.455 57.25,108.455 v1(57.277,108.482) 60.045,111.25 R55.1@62.992,111.25
  Bottom Layer w0.5: v1(56.769,104.267) 56.769,102.715 59.662,99.822 66.703,99.822 66.995,99.529 v1(66.995,97.858) 66.995,92.495 67.923,91.567 72.609,91.567 73.155,91.021 75.857,91.021 79.629,87.249 v1(79.629,84.074) ; v1(70.231,99.568) 71.501,100.838 v1(84.201,100.838) ; v1(71.12,72.898) 71.15,72.928 71.15,74.646 U7.8@71.18,74.676 ; U7.8@71.18,75.311 C16.1@71.18,77.597 ; v1(105.918,92.075) 109.093,88.9 109.093,86.106 109.573,85.626 D19.1@116.84,85.626
  Bottom Layer w1: R4.1@100.457,98.234 100.432,98.26 99.138,98.26 98.552,98.845 98.552,100.711 97.816,101.447 96.926,101.447 C6.1@96.901,101.472 96.892,101.481 96.892,104.614 L1.2@96.884,104.623 97.155,104.623 99.187,106.655 99.187,111.095 96.774,113.508 D1.1@96.774,113.858 96.774,114.141 97.274,114.641 99.274,114.641 C5.1@101.854,117.221
+9: C10.1 C11.1 D18.1 U3.3 | length 14.7
  Bottom Layer w1: C11.1@106.806,120.65 106.806,120.616 106.831,120.591 109.295,120.591 C10.1@109.347,120.539 ; U3.3@109.155,110.617 U3.3@109.22,110.682 109.373,110.835 110.324,110.835 112.649,113.16 112.649,113.51 ; C10.1@109.156,120.539 C10.1@109.347,120.539 ; D18.1@112.776,114.996 112.776,115.346 109.589,118.533 109.589,120.414 109.464,120.539 C10.1@109.347,120.539
+12: C9.1 D13.2 D14.2 D16.2 D17.2 K1.1 K1.4 K2.1 K2.4 K3.4 K4.1 K4.4 R12.1 R14.1 R49.1 R50.2 R60.2 R61.2 R65.2 R67.2 R68.2 U3.1 U7.3 U7.4 U9.10 VR?.1 | length 298.1
  Top Layer w0.5: v1(42.164,96.168) 42.245,96.168 42.382,96.031 44.072,96.031 U9.10@44.091,96.012
  Top Layer w1: C9.1@92.71,117.221 92.837,117.221 95.123,114.935 106.045,114.935 106.639,115.529 109.067,115.529 U3.1@109.22,115.682 ; K1.1@108.201,93.636 111.76,97.195 111.76,104.767 111.174,105.353 109.277,105.353 VR?.1@109.22,105.41
  Top Layer w2: K3.4@62.865,73.119 65.372,70.612 74.168,70.612 77.597,74.041 83.439,74.041 85.344,75.946 85.344,81.788 87.503,83.947 92.202,83.947 94.742,81.407 94.742,79.738 v1(94.742,78.715) ; K2.1@93.729,93.636 93.786,93.579 96.286,93.579 K2.4@98.679,91.186
  Bottom Layer w0.5: v1@42.144,96.225 41.894,96.225 41.853,96.266 40.513,96.266 38.354,94.107 38.354,81.867 39.068,81.153 R50.2@39.243,81.153 39.468,80.928 40.22,80.928 40.513,80.635 40.513,78.232 43.176,75.569 K4.1@43.558,75.569 ; R68.2@49.657,79.503 51.054,79.503 ; R14.1@59.563,98.043 59.388,98.043 59.163,98.268 59.163,98.571 58.293,99.441 50.546,99.441 46.609,95.504 46.609,93.091 44.196,90.678 44.196,88.773 51.054,81.915 51.054,79.503 ; K3.4@62.865,73.119 62.865,75.994 62.853,76.006 62.853,77.99 61.34,79.503 R60.2@60.325,79.503 R61.2@57.658,79.503 R65.2@54.991,79.503 R67.2@52.324,79.503 51.054,79.503 ; R12.1@71.628,98.043 71.803,98.043 72.028,98.268 72.028,98.443 72.518,98.933 74.364,98.933 74.657,98.64 74.657,97.761 74.882,97.536 R49.1@75.057,97.536 75.232,97.536 77.645,99.949 82.423,99.949 88.736,93.636 K2.1@93.729,93.636
  Bottom Layer w1: D17.2@45.593,69.596 D17.2@45.943,69.596 ; D16.2@60.46,68.911 62.497,70.948 62.497,72.751 K3.4@62.865,73.119 ; v1(94.755,80.627) v1(94.755,79.738) 94.755,78.805 95.328,78.232 100.379,78.232 100.965,78.818 100.965,85.852 99.441,87.376 D14.2@96.87,87.376 ; D14.2@96.52,87.376 D14.2@96.87,87.376 ; K2.4@98.679,91.186 98.311,90.818 98.311,89.167 97.37,88.226 97.37,87.876 D14.2@96.87,87.376 ; VR?.1@109.22,105.41 VR?.1@109.093,105.41 108.32,105.41 106.299,107.431 106.299,114.935 106.934,115.57 109.108,115.57 U3.1@109.22,115.682
  Bottom Layer w2: K4.1@43.558,75.569 46.008,73.119 K4.4@48.508,73.119 48.658,72.969 48.658,70.468 49.53,69.596 ; D17.2@45.943,69.596 49.53,69.596 ; D16.2@60.033,69.596 59.683,69.596 59.683,67.974 58.511,66.802 52.324,66.802 49.53,69.596 ; D16.2@61.046,68.911 67.818,68.911 ; K2.1@93.729,93.636 93.81,93.636 94.662,94.488 107.268,94.488 ; K1.1@108.201,93.636 K1.1@108.201,93.717 ; K1.1@108.201,93.729 K1.1@108.201,93.717 ; D13.2@111.341,87.376 111.691,87.376 111.691,87.726 113.001,89.036 113.001,91.036 K1.4@113.151,91.186 113.001,91.336 110.582,91.336 K1.1@108.201,93.717
  other v1: 67.183,68.35 68.58,68.477
+12_CURRENT: F1.1 U7.1 U7.2 | length 8.4
  Bottom Layer w2: v1@70.358,68.453 v1(71.12,68.453) 73.819,68.453 75.343,69.977 F1.1@78.105,69.977
  other v1: 70.231,68.477
ADC: U6.3 U8.2 | length 14.9
  Top Layer w0.3: U6.3@65.51,106.68 65.513,106.683 67.121,106.683 67.691,107.254 67.691,114.046 69.596,115.951 69.596,118.273 70.062,118.739